# Altium PCB bio_dnt_#1.PcbDoc (part 2 of 2)
Units mm, origin at the board's own origin, x right, y up, seen from the top; angles counter-clockwise.
Board outline 120.8 x 64.8 mm, 4 copper layers (Top Layer, GND Layer, Signal Layer, Bottom Layer), stack 0.603 mm thick; 141 components, 144 nets, 614 pads, 298 vias.
Unrouted connection lines stored in the file: 15.
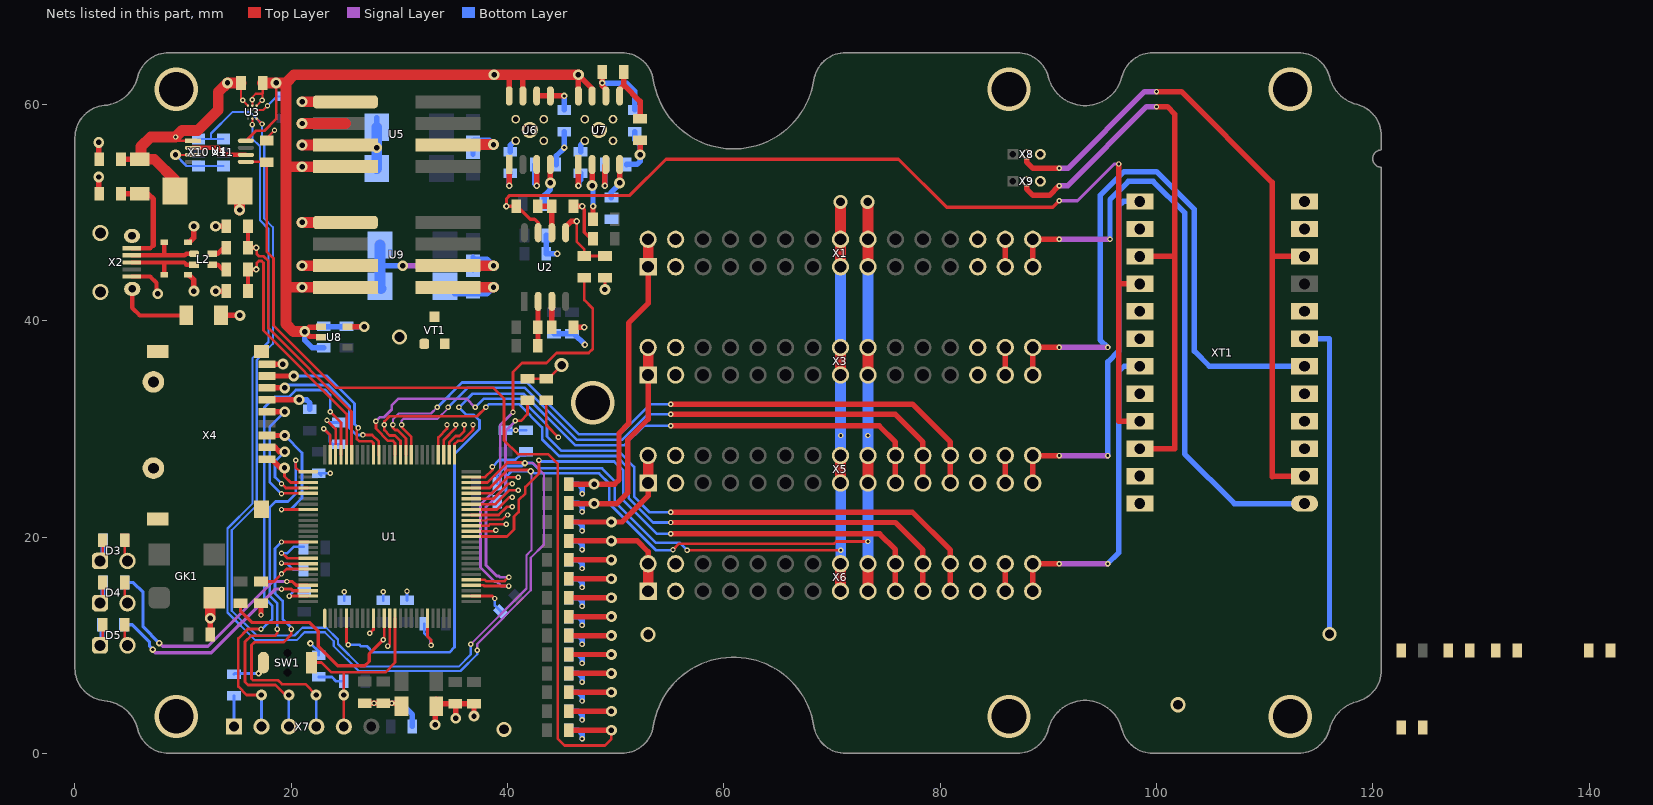
[diagram p4: the nets of this part, all layers, seen from the top]

## Via types
v1: diameter 0.5, hole 0.25, Top Layer to Bottom Layer, 175 vias
v2: diameter 1, hole 0.5, Top Layer to Bottom Layer, 76 vias
v3: diameter 0.6, hole 0.3, Top Layer to Bottom Layer, 27 vias
v4: diameter 1.3, hole 0.8, Top Layer to Bottom Layer, 9 vias
v5: diameter 4, hole 3.2, Top Layer to Bottom Layer, 7 vias
v6: diameter 1.4, hole 0.9, Top Layer to Bottom Layer, 4 vias

## Nets (pads, with @x,y where several pads share a name; then routed paths per layer and width w, separated by ;. In a path a pad name is that pad's centre, name@x,y a point inside that pad or via, vN(x,y) a via of type N, cw(c..) or ccw(c..) an arc to the next point about the centre after c; other vN are vias at no path point) (continued)
CH2_KU0: U1.59 X5.21 X5.22 | length 60.9
  Top Layer w0.25: v1(30.2,30.4) 30.2,30.175 31.1,29.275 U1.59@31.1,27.6
  Top Layer w0.5: v1(55.1,31.35) 75.85,31.35 78.4,28.8 X5.22@78.4,27.54 X5.21@78.4,25
  Signal Layer w0.2: v1(30.2,30.4) 30.2,30.775 30.375,30.95 33.518,30.95 v1@34.5,31.932
  Signal Layer w0.25: v1@34.5,31.932 v1(34.5,32)
  Bottom Layer w0.25: v1(34.5,32) 36.3,33.8 41.6,33.8 46.4,29 50.6,29 52.95,31.35 v1(55.1,31.35)
CH2_KU1: U1.60 X5.23 X5.24 | length 65.3
  Top Layer w0.25: v1(29.4,30.4) 29.4,30.1 29.6,29.9 29.825,29.9 30.6,29.125 U1.60@30.6,27.6
  Top Layer w0.5: v1(55.1,32.3) 77.44,32.3 80.94,28.8 X5.24@80.94,27.54 X5.23@80.94,25
  Signal Layer w0.2: v1(29.4,30.4) 29.4,30.9 29.925,31.425 32.925,31.425 v1(33.5,32)
  Bottom Layer w0.25: v1(33.5,32) 35.8,34.3 41.8,34.3 46.6,29.5 50.4,29.5 53.2,32.3 v1(55.1,32.3)
CH2_ZERO: U1.5 X5.19 X5.20 | length 85.2
  Top Layer w0.25: U1.5@25.1,12.5 25.1,10.293 25.275,10.118 v1(25.275,10.05)
  Top Layer w0.5: v1(55.1,30.3) 74.36,30.3 75.86,28.8 X5.20@75.86,27.54 X5.19@75.86,25
  Bottom Layer w0.25: v1(25.275,10.05) 26.3,10.05 26.45,9.9 27.025,9.9 27.575,9.35 34.625,9.35 35.1,9.825 35.1,27.7 37.4,30 37.4,30.8 36.9,31.3 36.2,31.3 v1(35.5,32) 36.76,33.26 41.49,33.26 46.25,28.5 50.828,28.5 52.628,30.3 v1(55.1,30.3)
CH3_KU0: U1.61 X6.21 X6.22 | length 66.1
  Top Layer w0.25: U1.61@30.1,27.6 30.1,28.9 29.6,29.4 29.1,29.4 28.6,29.9 v1(28.6,30.4) 28.6,30.7 29.08,31.18 37.18,31.18 v1(38,32)
  Top Layer w0.5: v1(55.1,21.35) 75.85,21.35 78.4,18.8 X6.22@78.4,17.54 X6.21@78.4,15
  Bottom Layer w0.25: v1(38,32) 38.3,32.3 41.057,32.3 43.2,30.157 43.2,29.05 44.75,27.5 45.857,27.5 50.057,27.5 51.2,26.357 51.2,23.6 53.45,21.35 v1(55.1,21.35)
CH3_KU1: U1.62 X6.23 X6.24 | length 70.8
  Top Layer w0.25: v1(27.825,30.725) 27.825,30.039 28.964,28.9 29.4,28.9 29.6,28.7 U1.62@29.6,27.6
  Top Layer w0.5: v1(55.1,22.3) 77.44,22.3 80.94,18.8 X6.24@80.94,17.54 X6.23@80.94,15
  Signal Layer w0.25: v1@27.8,30.7 v1(27.825,30.725) 28.175,31.075 28.55,31.075 29.3,31.825 29.3,32.2 29.9,32.8 36.2,32.8 v1(37,32)
  Bottom Layer w0.25: v1(37,32) 37.8,32.8 41.2,32.8 43.65,30.35 43.65,29.3 44.95,28 46,28 50.2,28 51.7,26.5 51.7,23.743 53.143,22.3 v1(55.1,22.3)
CH3_ZERO: U1.38 X6.19 X6.20 | length 53.4
  Top Layer w0.25: U1.38@36.65,20.05 39.95,20.05 40.6,20.7 40.6,21.9 41.025,22.325 41.025,23.425 41.644,24.044 41.644,24.644 42.9,25.9 v1(42.9,27.1)
  Top Layer w0.5: v1(55.1,20.3) 74.4,20.3 75.86,18.84 X6.20@75.86,17.54 X6.19@75.86,15
  Bottom Layer w0.25: v1(42.9,27.1) 43,27 45.7,27 49.857,27 50.705,26.151 50.705,23.395 53.8,20.3 v1(55.1,20.3)
CH4_KU0: U1.39 | length 2.3
  Top Layer w0.2: U1.39@36.65,20.55 v1@38.925,20.55
  Top Layer w0.25: U1.39@36.65,20.55 U1.39@36.675,20.525
  other v1: 38.925,20.625
CH4_KU1: U1.40 | length 3.3
  Top Layer w0.25: U1.40@36.65,21.05 38.225,21.05 38.375,21.2 v1(39.875,21.2)
CH4_ZERO: U1.51 | length 3.8
  Top Layer w0.25: U1.51@35.125,27.625 U1.51@35.1,27.6 35.1,28.6 35.4,28.9 35.8,28.9 36.8,29.9 v1(36.8,30.4)
CH5_KU0: U1.41 | length 3.6
  Top Layer w0.2: U1.41@36.65,21.55 38.05,21.55 38.125,21.625 39.5,21.625 39.925,22.05 v1(40,22.05)
CH5_KU1: U1.42 | length 4.1
  Top Layer w0.25: U1.42@36.675,22.025 U1.42@36.65,22.05 39.175,22.05 39.925,22.8 v1(40.425,22.8)
CH5_ZERO: U1.52 | length 3.6
  Top Layer w0.25: U1.52@34.6,27.6 34.6,28.75 35.2,29.35 35.55,29.35 36,29.8 v1(36,30.4)
CH6_KU0: U1.43 | length 4.3
  Top Layer w0.25: U1.43@36.65,22.55 39.025,22.55 40.175,23.7 v1(40.425,23.7)
CH6_KU1: U1.44 | length 4.9
  Top Layer w0.25: U1.44@36.65,23.05 38.875,23.05 40.15,24.325 v1(40.975,24.325)
CH6_ZERO: U1.53 | length 3.3
  Top Layer w0.25: U1.53@34.1,27.6 34.1,29 35.2,30.1 v1(35.2,30.4)
CH7_KU0: U1.45 | length 4.4
  Top Layer w0.25: U1.45@36.65,23.55 38.7,23.55 40.1,24.95 v1(40.438,24.95)
CH7_KU1: U1.46 | length 5
  Top Layer w0.25: U1.46@36.65,24.05 38.5,24.05 39.975,25.525 v1(41,25.525)
CH7_ZERO: U1.54 | length 3.1
  Top Layer w0.25: U1.54@33.6,27.6 33.6,29.225 34.4,30.025 v1(34.4,30.4)
D+: C21.2 R17.1 U1.71 | length 25.1
  Top Layer w0.25: v3(16.75,44.75) 16.817,44.817 16.817,45.342 17,45.525 17.264,45.525 17.425,45.364 17.425,39.1 25.125,31.4 25.125,27.625 U1.71@25.1,27.6
  Top Layer w0.4: C21.2@16,42.75 R17.1@16,44.75 16.005,44.756 16.011,44.75 v3(16.75,44.75)
D-: C22.2 R18.1 U1.70 | length 25.8
  Top Layer w0.25: v3(16.75,46.75) 16.817,46.683 16.817,46.158 17,45.975 17.45,45.975 17.875,45.55 17.875,39.325 25.575,31.625 25.575,28.635 25.575,27.625 U1.70@25.6,27.6
  Top Layer w0.4: C22.2@16,48.75 R18.1@16,46.75 16.005,46.75 16.011,46.745 16.016,46.75 v3(16.75,46.75)
DAC_1: R15.2 U1.29 | length 41.3
  Top Layer w0.25: U1.29@36.65,15.55 37.775,15.55 37.85,15.475 v1(40.1,15.475) v1@40.125,15.475 ; v1(40.5,31.55) 40.5,35.25 41.35,36.1 43.6,36.1 44.525,37.025 47.5,37.025 47.875,37.4 47.875,41.15 47.1,41.925 R15.2@47.1,44
  Signal Layer w0.25: v1(40.1,15.475) 39.425,15.475 39,15.9 38.8,15.9 37.5,17.2 37.5,23 39.325,24.825 39.325,30.375 v1(40.5,31.55)
DAC_2: R16.2 U1.30 | length 23.4
  Top Layer w0.25: U1.30@36.65,16.05 37.9,16.05 38.025,15.925 39.725,15.925 40.1,16.3 v1(40.125,16.3) ; v1(40.7,30.75) 41.225,30.75 41.85,31.375 R16.2@41.85,32.65
  Signal Layer w0.25: v1(40.125,16.3) 39.3,16.3 39.2,16.4 39,16.4 38,17.4 38,22.8 39.8,24.6 39.8,29.8 40.7,30.7 v1(40.7,30.75)
DAC_2_out: C16.2 R16.1 | length 3.9
  Top Layer w0.25: R16.1@41.85,34.65 C16.2@43.575,34.65 43.775,34.65 44.9,35.775 v4@44.9,35.6 ; v4@44.8,35.875 44.825,35.9 v4(45,35.9)
DAC_substr: C15.2 R15.1 R44.1 U2.5 | length 7.2
  Top Layer w0.25: v3(46.4,49.2) 46.4,47.3 47.1,46.6 R15.1@47.1,46 C15.2@49.004,46
  Top Layer w0.5: U2.5@45.37,48.15 45.37,48.685 45.885,49.2 v3(46.4,49.2)
DEF: XT1.7 | length 29.6
  Bottom Layer w0.5: XT1.7@113.7,38.34 116,38.34 v4(116,11.05)
Drain_0: X1.29 X1.30 XT1.1 | length 57.5
  Top Layer w0.5: X1.29@88.56,45 X1.30@88.56,47.54 v1(91,47.54)
  Signal Layer w0.5: v1(91,47.54) v1(95.7,47.54)
  Bottom Layer w0.5: v1(95.7,47.54) 95.7,51.2 97.4,52.9 99.7,52.9 102.6,50 102.6,27.7 107.2,23.1 XT1.1@113.7,23.1
Drain_1: XT1.3
Drain_2: XT1.4
Drain_3: XT1.5
Drain_4: X3.29 X3.30 XT1.6 | length 58.8
  Top Layer w0.5: X3.29@88.56,35 X3.30@88.56,37.54 v1(91,37.54)
  Signal Layer w0.5: v1(91,37.54) v1(95.5,37.54)
  Bottom Layer w0.5: v1(95.5,37.54) 94.8,38.24 94.8,51.6 97,53.8 100,53.8 103.5,50.3 103.5,37.2 104.9,35.8 XT1.6@113.7,35.8
Drain_5: XT1.8
Drain_6: XT1.11
Drain_7: XT1.12
Drain_8: X5.29 X5.30 XT1.13 | length 35.1
  Top Layer w0.5: X5.29@88.56,25 X5.30@88.56,27.54 v1(91,27.54)
  Signal Layer w0.5: v1(91,27.54) v1(95.5,27.54)
  Bottom Layer w0.5: v1(95.5,27.54) 95.5,36.2 96.5,37.2 96.5,50.6 96.94,51.04 XT1.13@98.46,51.04
Drain_9: XT1.14
Drain_10: XT1.17
Drain_11: XT1.18
Drain_12: X6.29 X6.30 XT1.19 | length 29.8
  Top Layer w0.5: X6.29@88.56,15 X6.30@88.56,17.54 v1(91,17.54)
  Signal Layer w0.5: v1(91,17.54) v1(95.5,17.54)
  Bottom Layer w0.5: v1(95.5,17.54) 95.49,17.54 96.5,18.55 96.5,35.3 97,35.8 XT1.19@98.46,35.8
Drain_13: XT1.20
Drain_14: XT1.23
Drain_15: XT1.24
GND: C17.2 C18.1 C19.1 C20.1 C21.1 C22.1 C23.1 C24.1 C25.1 C26.1 C27.1 C28.1 C29.1 C31.1 C32.1 C33.1 C34.1 C35.1 C36.1 C37.1 C38.1 C39.1 C42.1 C43.1 C44.2 C45.2 C46.1 C47.1 C48.1 C49.1 C50.1 C51.1 C52.1 C53.1 C54.1 C55.1 C56.1 C59.1 C60.2 C61.1 C62.1 C63.1 D1.2 D2.2 D3.2 D4.2 D5.2 GK1.2 L3.2 L5.2 R19.2 R23.1 R25.2 R27.1 R29.2 R31.2 R40.1 R43.1 R44.2 U1.10 U1.13 U1.27 U1.74 U1.99 U3.C1 U4.3 U5.2 U5.6 U6.0 U6.4 U7.0 U7.4 U8.5 U9.2 U9.5 VT1.2 X1.25 X1.26 X2.5 X3.25 X3.26 X4.6 X4.Gd X4.MP0 X5.25 X5.26 X6.25 X6.26 X7.1 X8.3 X9.3 X10.1 X11.1 | length 137.3
  Top Layer w0.2: v2@9.4,55.35 U4.3@10.9,55.35 ; U3.C1@16.8,59.5 17.4,59.5 v1(17.8,59.9) ; R29.2@17.725,56.675 17.725,56.9 v1(18.45,57.625)
  Top Layer w0.25: v1(19.8,14.55) U1.99@21.55,14.55 ; v1(23,30.025) 23.6,29.425 U1.74@23.6,27.6 ; v1(27.25,11.1) 27.6,11.45 U1.10@27.6,12.5 ; v1@28.925,9.875 v1(28.925,9.925) 29.1,10.1 U1.13@29.1,12.5 ; U1.27@36.65,14.55 38.6,14.55 v1(38.825,14.325)
  Top Layer w0.3: v3(46.9,50.6) 47,50.6 47,50.4 47.1,50.3 47.1,48.2 47.6,47.7 R27.1@47.9,47.7
  Top Layer w0.4: X2.5@5.25,44.1 6.95,44.1 7.535,43.515 7.535,42.615 v2(7.65,42.5)
  Top Layer w0.5: v2(2.2,53.3) 2.2,51.8 C19.1@2.25,51.75 ; v2(2.2,56.5) 2.2,55 C20.1@2.25,54.95 ; D1.2@10.45,44.25 10.55,44.25 11,43.8 v2(11,42.75) ; D2.2@10.45,47.25 10.55,47.25 11,47.7 v2(11,48.75) ; C18.1@12.5,11 v2(12.5,12.5) ; v2(13,42.75) C21.1@14,42.75 ; v2(13,48.75) C22.1@14,48.75 ; L3.2@13.75,40.5 v2(15.25,40.5) ; v1(17.2,12.8) R23.1@17.2,13.85 ; X4.6@17.75,32.7 v2(20.725,32.7) ; X4.Gd@17.75,36 v2(19.225,36) v2@19.4,36 ; U8.5@25.2,39.45 v2(26.75,39.45) ; C38.1@26.8,4.65 v1(27.65,4.65) C39.1@28.5,4.65 v1(29.3,4.65) L5.2@29.9,4.65 ; v2(43.96,52.75) U6.4@43.96,54.45 ; R25.2@46.1,39.4 v3(47.1,39.4) ; R19.2@46.1,50.6 v3(46.9,50.6) ; v2(50.36,52.75) U7.4@50.36,54.45 ; v2(52.25,55.35) R31.2@52.25,56.7
  Top Layer w1: v2(12.5,12.5) 12.5,13.9 12.9,14.3 12.9,14.38 GK1.2@12.88,14.4 ; v2(15.225,50.25) 15.225,51.975 C17.2@15.25,52 ; v2(21,45.1) U9.2@25,45.1 ; v2(21,56.25) U5.2@25,56.25 ; v2(21,58.25) 25,58.25 ; U9.5@34.5,43.1 v2(38.7,43.1) ; U5.6@34.5,56.3 v2(38.7,56.3)
  Bottom Layer w0.2: v2(9.293,55.35) 10.318,54.325 X10.1@11.425,54.325 X11.1@13.725,54.325 ; v1(17.8,59.9) 18.65,60.75 C42.1@19.25,60.75
  Bottom Layer w0.25: X7.1@14.7,2.48 R40.1@14.7,5.325 ; v1(19.8,14.55) 20.35,15.1 C32.1@21.2,15.1 ; v3(21.775,10.175) 22.55,9.4 C62.1@22.55,9.075 ; C31.1@22.75,25.7 C31.1@22.55,25.9 v1(23.6,25.9) ; v1(23,30.025) 23.563,29.462 23.563,28.838 23.8,28.6 C23.1@24.4,28.6 C23.1@24.5,28.6 ; C36.1@24.9,14.15 v1(24.9,14.95) v1@24.9,15 ; C33.1@28.5,14.15 v1(28.5,14.95) ; C34.1@30.7,14.15 v1(30.7,15) ; v1(38.825,14.325) 38.825,13.675 39.386,13.114 C35.1@39.386,13.086 ; C37.1@39.8,29.875 v1(40.75,29.875) C24.1@41.714,29.875
  Bottom Layer w0.5: v2(20.725,32.7) 21.425,32.7 21.725,32.4 21.725,31.85 C61.1@21.7,31.825 ; C55.1@23,39.45 v2(26.75,39.45) ; C44.2@27.9,57.9 C44.2@27.9,58.8 ; v1(29.3,4.65) 30.05,4.65 30.1,4.7 31.2,3.6 C29.1@31.2,2.5 ; C60.2@35.1,42.5 38.1,42.5 v2@38.6,43 ; C45.2@36.8,55.4 36.8,56.6 36.9,56.7 38.3,56.7 v2(38.7,56.3) ; C48.1@40.25,55.65 40.25,56.25 40.269,56.25 40.669,56.65 U6.0@40.75,56.65 ; C50.1@43.4,50.8 43.4,51.6 43.96,52.16 v2(43.96,52.75) ; C26.1@43.563,47.9 C25.1@43.563,46.2 v3(44.6,46.2) ; C27.1@44.3,38.8 C28.1@45.95,38.8 ; C47.1@44.5,54.45 44.5,55.25 45.25,56 v3(45.25,56.025) C49.1@45.25,57.5 ; C28.1@46.141,38.8 v3@47.141,37.8 ; C52.1@46.75,55.65 46.75,56.25 U7.0@47.15,56.65 ; C54.1@49.6,51.4 49.6,51.9 50.3,52.6 v2@50.3,52.7 ; C51.1@51,54.45 51.016,54.466 51.966,54.466 52.25,54.75 v2(52.25,55.35) 52.25,56.25 51.75,56.75 C53.1@51.75,57.5
  Bottom Layer w1: C46.1@27.9,54.1 v2(27.9,56) ; v2@27.9,56.1 C44.2@27.9,57.9
  other v3: 47.15,37.8
  other v5: 9.368,3.426 86.368,3.426 112.368,3.426 47.868,32.426 9.368,61.426 86.368,61.426 112.368,61.426
  other v6: 39.675,2.225 102,4.5 30,38.5
GND_A: C1.1 C2.1 C3.1 C4.1 C5.1 C6.1 C7.1 C8.1 C9.1 C10.1 C11.1 C12.1 C13.1 C14.1 C15.1 C16.1 C30.1 C40.1 C41.1 L5.1 U1.20 X1.3 X1.4 X3.3 X3.4 X5.3 X5.4 X6.3 X6.4 | length 43.2
  Top Layer w0.25: U1.20@32.6,12.5 32.6,10.825 32.925,10.5 v1@32.925,10.05 ; C16.1@43.575,32.65 43.575,30.35 v1(44.7,29.225) ; v2(49,42.9) 49.004,42.904 C15.1@49.004,44
  Top Layer w0.5: v2(33.3,2.65) L5.1@33.3,4.25 ; L5.1@33.3,4.9 L5.1@33.4,5 ; L5.1@33.65,4.6 C40.1@35.15,4.6 C41.1@36.9,4.6 v2(36.9,3.45) ; v2(35.2,3.25) C40.1@35.2,4.55
  Bottom Layer w0.25: C30.1@32.3,12 32.3,11.1 32.877,10.523 32.877,10.048 v1(32.925,10)
  Bottom Layer w0.5: C12.1@45.65,2.15 46.55,2.15 46.891,1.809 v1(46.891,1.35) ; C10.1@45.65,3.9 46.55,3.9 46.891,3.559 v1(46.891,3.1) ; C8.1@45.65,5.65 46.55,5.65 46.891,5.309 v1(46.891,4.85) ; C6.1@45.65,7.4 46.55,7.4 46.891,7.059 v1(46.891,6.6) ; C4.1@45.65,9.15 46.55,9.15 46.891,8.809 v1(46.891,8.35) ; C2.1@45.65,10.9 46.55,10.9 46.891,10.559 v1(46.891,10.1) ; C14.1@45.65,12.65 46.55,12.65 46.891,12.309 v1(46.891,11.85) ; C13.1@45.65,14.4 46.55,14.4 46.891,14.059 v1(46.891,13.6) ; C11.1@45.65,16.15 46.55,16.15 46.891,15.809 v1(46.891,15.35) ; C9.1@45.65,17.9 46.55,17.9 46.891,17.559 v1(46.891,17.1) ; C7.1@45.65,19.65 46.55,19.65 46.891,19.309 v1(46.891,18.85) ; C5.1@45.65,21.4 46.55,21.4 46.891,21.059 v1(46.891,20.6) ; C3.1@45.65,23.15 46.55,23.15 46.891,22.809 v1(46.891,22.35) ; C1.1@45.65,24.9 46.55,24.9 46.9,24.55 v1(46.9,24)
  other v6: 53,11
I2C1_SCL: R35.2 U1.92 | length 4.7
  Top Layer w0.25: v1@19.2,18.5 19.65,18.05 U1.92@21.45,18.05
  Bottom Layer w0.25: v1(19.1,18.5) 19.625,18.5 20.225,19.1 R35.2@21.125,19.1
I2C1_SDA: R34.2 U1.93 | length 4.7
  Top Layer w0.25: v1@19.01,17.55 U1.93@21.45,17.55
  Bottom Layer w0.25: v1@19.1,17.55 19.625,17.55 20.175,17 R34.2@21.125,17
  other v1: 19.1,17.6
I2C2_SCL: R33.2 U1.47 U3.A1 X1.17 X1.18 X3.17 X3.18 X5.17 X5.18 X6.17 X6.18 X10.3 X11.3 | length 184.4
  Top Layer w0.2: U3.A1@16.8,58.7 v1(17.3,58.2)
  Top Layer w0.25: U1.47@36.65,24.55 38.35,24.55 40,26.2 v3@42.2,26.2 ; v1(55.3,18.825) 55.3,18.834 55.865,19.4 70.2,19.4 70.4,19.6 v1(73.32,19.6)
  Top Layer w1: X6.17@73.32,15 X6.18@73.32,17.54 ; X5.17@73.32,25 X5.18@73.32,27.54 ; X3.17@73.32,35 X3.18@73.32,37.54 ; X1.17@73.32,45 X1.18@73.32,47.54 v4@73.32,51
  Signal Layer w0.2: v1(36.6,10.1) 41.75,15.25 41.75,18.325 42.2,18.775 v3@42.2,26.2
  Bottom Layer w0.2: X10.3@11.425,56.825 12.575,56.825 ; X11.3@13.725,56.825 12.575,56.825 ; v1(36.6,10.1) 36.6,9.15 35.475,8.025 26.425,8.025 24.325,10.125 24.325,10.533 23.233,11.625 21.025,11.625 20.3,10.9 16.8,10.9 14.5,13.2 14.5,20.634 16.8,22.934 16.8,36.384 18.3,37.884 18.3,48.666 17.5,49.466 17.5,56.55 17.3,56.75 v1(17.3,58.2) 16.2,59.3 14.55,59.3 12.575,57.325 12.575,56.825
  Bottom Layer w0.25: R33.2@39.05,23.275 39.85,24.075 39.85,25.566 40.384,26.1 v3(42.15,26.1) 42.225,26.1 42.25,26.125 42.475,25.9 48.45,25.9 49.4,24.95 49.4,23.1 53.7,18.8 v1@55.3,18.8
  Bottom Layer w1: X6.18@73.32,17.54 v1(73.32,19.6) X5.17@73.32,25 ; X5.18@73.32,27.54 v1(73.32,29.4) X3.17@73.32,35 ; X3.18@73.32,37.54 X1.17@73.32,45
  other v4: 73.3,51
I2C2_SDA: R32.2 U1.48 U3.A2 X1.15 X1.16 X3.15 X3.16 X5.15 X5.16 X6.15 X6.16 | length 175
  Top Layer w0.2: v1(16.4,58.15) U3.A2@16.4,58.7
  Top Layer w0.25: U1.48@36.65,25.05 38.125,25.05 39.975,26.9 41.275,26.9 ; v1(56.6,18.8) v1(70.8,18.8)
  Top Layer w1: X6.15@70.78,15 X6.16@70.78,17.54 ; X5.15@70.78,25 X5.16@70.78,27.54 ; X3.15@70.78,35 X3.16@70.78,37.54 ; X1.15@70.78,45 X1.16@70.78,47.54 v4(70.78,51)
  Signal Layer w0.2: v1(37.2,9.55) 37.2,10.125 42.15,15.075 42.15,18.1 43.375,19.325 43.375,25.825 42.35,26.85 v3(41.6,26.85)
  Bottom Layer w0.2: v1(16.4,58.15) 16.4,56.85 17.1,56.15 17.1,49.3 17.9,48.5 17.9,38.05 16.4,36.55 16.4,23.1 14.1,20.8 14.1,13.034 16.659,10.475 20.5,10.475 21.225,11.2 23.093,11.2 23.925,10.368 23.925,9.925 26.225,7.625 35.65,7.625 37.2,9.175 v1(37.2,9.55)
  Bottom Layer w0.25: R32.2@39.05,24.95 39.05,25.776 39.849,26.575 41.325,26.575 v3(41.6,26.85) 42.3,26.85 42.793,26.357 48.743,26.357 49.905,25.195 49.905,23.3 53.73,19.475 55.925,19.475 v1(56.6,18.8)
  Bottom Layer w1: X6.16@70.78,17.54 70.8,17.56 v1(70.8,18.8) 70.8,24.98 X5.15@70.78,25 ; X5.16@70.78,27.54 X3.15@70.78,35 ; X3.16@70.78,37.54 X1.15@70.78,45
  other v1: 70.8,29.4
I_GRD0: X1.27 X1.28 | length 2.5
  Top Layer w0.5: X1.27@86.02,45 X1.28@86.02,47.54
I_GRD1: X3.27 X3.28 | length 2.5
  Top Layer w0.5: X3.27@86.02,35 X3.28@86.02,37.54
I_GRD2: X5.27 X5.28 | length 2.5
  Top Layer w0.5: X5.27@86.02,25 X5.28@86.02,27.54
I_GRD3: X6.27 X6.28 | length 2.5
  Top Layer w0.5: X6.27@86.02,15 X6.28@86.02,17.54
I_USB: R12.2 R29.1 U4.5 | length 86.8
  Top Layer w0.25: U4.5@15.8,54.7 R29.1@17.725,54.7 ; R29.1@17.725,54.675 17.725,46.4 18.35,45.775 18.35,39.575 24.1,33.825 38.65,33.825 39.675,32.8 39.675,28.95 40.95,27.675 43.725,27.675 44.65,26.75 44.65,1.35 45.275,0.725 49,0.725 49.6,1.325 v2(49.6,2.15)
  Top Layer w0.5: R12.2@45.65,2.15 v2(49.6,2.15)
INH_POWER: R42.2 U1.1
LED_CONNECTION: R38.1 U1.98 | length 20.8
  Top Layer w0.3: v1@19.1,15.3 v1(19.1,15.2) 20,15.2 20.15,15.05 U1.98@21.55,15.05
  Signal Layer w0.3: v3@7.2,9.5 7.4,9.3 12.6,9.3 18.5,15.2 v1(19.1,15.2)
  Bottom Layer w0.3: R38.1@4.6,11.9 5.3,11.9 5.7,11.5 6.6,10.6 6.9,10.3 6.9,9.9 v3(7.2,9.6)
LED_MCU_STATE: R37.1 U1.97 | length 23.9
  Top Layer w0.3: v1(19.6,15.9) 20.1,15.9 20.45,15.55 U1.97@21.55,15.55
  Signal Layer w0.3: v3(7.8,10.2) 8.1,9.9 12.3,9.9 18.3,15.9 v1(19.6,15.9)
  Bottom Layer w0.3: R37.1@4.6,15.8 5.4,15.8 6.3,14.9 6.3,11.7 v3(7.8,10.2)
NetC19_2: C19.2 L1.1 X2.1 | length 9.6
  Top Layer w0.4: X2.1@5.25,46.7 6.95,46.7 7.25,47 ; L1.1@6,51.75 L1.1@6.75,51.75
  Top Layer w0.5: C19.2@4.25,51.75 L1.1@6,51.75 ; L1.1@6.75,51.75 7.25,51.25 7.25,47
NetC23_2: C23.2 U1.73 | length 4.8
  Top Layer w0.25: v1(23.3,30.8) 24.1,30 U1.73@24.1,27.6
  Bottom Layer w0.25: v1(23.3,30.8) 23.5,30.6 C23.2@24.5,30.6
NetC24_2: C24.2 U1.49 | length 6.1
  Top Layer w0.25: U1.49@36.65,25.55 37.929,25.55 38.6,26.221 v1(38.6,26.5)
  Bottom Layer w0.25: v1(38.6,26.5) 39.225,27.125 40.7,27.125 41.175,27.6 C24.2@41.704,27.6
NetC47_2: C47.2 U6.3 | length 4
  Top Layer w0.5: v3(42.69,52.5) U6.3@42.69,54.45
  Bottom Layer w0.5: C47.2@42.5,54.45 42.5,52.69 v3(42.69,52.5)
NetC48_2: C48.2 U6.1 | length 3.1
  Top Layer w0.5: v3(40.15,52.5) U6.1@40.15,54.45
  Bottom Layer w0.5: v3(40.15,52.5) 40.169,52.519 40.169,53.569 C48.2@40.25,53.65
NetC49_2: C49.2 U6.5 U6.6 | length 3.9
  Top Layer w0.5: U6.6@42.69,60.8 U6.5@43.96,60.8 v3(45.25,60.8)
  Bottom Layer w0.5: C49.2@45.25,59.5 v3(45.25,60.8)
NetC51_2: C51.2 U7.3 | length 3.9
  Top Layer w0.5: v3(49,52.5) 49,54.36 U7.3@49.09,54.45
  Bottom Layer w0.5: v3(49,52.5) 49,52.59 C51.2@49,54.45
NetC52_2: C52.2 U7.1 | length 3.2
  Top Layer w0.5: v3(46.55,52.5) U7.1@46.55,54.45
  Bottom Layer w0.5: v3(46.55,52.5) 46.569,52.519 46.569,52.869 46.75,53.05 C52.2@46.75,53.65
NetC53_2: C53.2 R30.1 U7.6 | length 7.4
  Top Layer w0.5: R30.1@48.75,63 v3(48.75,62) 48.75,61.748 49.09,61.408 U7.6@49.09,60.8
  Bottom Layer w0.5: v3(48.75,62) 48.769,61.981 51.019,61.981 51.75,61.25 C53.2@51.75,59.5
NetC54_2: C54.2 R26.1 U7.2 | length 5.1
  Top Layer w0.5: v2(47.82,52.5) U7.2@47.82,54.45 ; R26.1@47.9,49.4 v3(47.9,50.6)
  Bottom Layer w0.5: v2@47.8,52.5 47.9,52.4 v3(47.9,50.6)
NetC55_2: C55.2 R28.2 R41.2 U3.D1 U3.D2 U4.8 U5.1 U6.7 U6.8 U7.7 U7.8 U8.1 U8.2 U9.1 | length 90.5
  Top Layer w0.2: U3.D2@16.4,59.9 v1(16.4,60.45) 16.4,60.683 16.717,61 17.3,61 ; U3.D1@16.8,59.9 v1(17.3,60.4) 17.35,60.45 17.35,61.05
  Top Layer w0.25: U4.8@15.8,56.65 16.725,57.575 17.525,57.575 18.6,58.65 v2(18.6,62) ; 17.35,61.05 17.35,61.6 R28.2@17.6,61.6
  Top Layer w0.5: U8.2@22.75,38.5 22.7,38.55 21.7,38.55 v2(21.25,39) 21.65,39.4 22.7,39.4 U8.1@22.75,39.45 ; U6.8@40.15,60.8 40.15,62.75 ; 41,62.75 41.394,62.356 41.394,60.826 U6.7@41.42,60.8 ; U7.8@46.55,60.8 v2(46.55,62.75) 47.811,61.489 47.811,60.809 U7.7@47.82,60.8
  Top Layer w1: R28.2@17.35,62 v2(18.6,62) 19.5,62 ; 19.55,43.1 v2(21,43.1) U9.1@25,43.1 ; v2(21.25,39) 20.2,39 19.5,39.7 19.5,43.1 19.5,54.3 ; U5.1@25,54.25 v2(21,54.25) 19.55,54.25 19.5,54.3 ; 41,62.75 40.15,62.75 v2(38.75,62.75) 20.25,62.75 19.5,62 ; 41.05,62.75 41.394,62.75 v2(46.55,62.75) ; 19.5,54.3 19.5,62
  Bottom Layer w0.5: v2(21.25,39) 21.25,38.2 21.95,37.5 C55.2@23,37.5
NetC57_1: C57.1 C58.2 C59.2 C60.1 U9.6 | length 22
  Top Layer w1: U9.6@34.5,45.1 v2(38.7,45.1)
  Signal Layer w0.5: v2(30.3,45.1) v2(38.7,45.1)
  Bottom Layer w0.5: 28.3,45.1 v2(30.3,45.1) ; C59.2@36.8,44.7 C57.1@36.8,45.7 ; C57.1@36.8,45.9 C57.1@36.8,45.7 ; v2(38.7,45.1) 38.1,45.7 C57.1@36.8,45.7
  Bottom Layer w1: C58.2@28.2,47 C60.1@28.2,43.2 28.2,43.1 C60.1@28.3,43
NetD3_1: D3.1 R36.2 | length 2
  Bottom Layer w0.5: D3.1@2.314,17.795 2.6,18.081 R36.2@2.6,19.7
NetD4_1: D4.1 R37.2 | length 2
  Bottom Layer w0.5: D4.1@2.314,13.895 2.6,14.181 R37.2@2.6,15.8
NetD5_1: D5.1 R38.2 | length 1.9
  Bottom Layer w0.5: D5.1@2.314,9.995 2.5,10.181 R38.2@2.5,11.8
NetL2_3: L2.3 R17.2 | length 2
  Top Layer w0.4: L2.3@12.5,45.2 13.2,45.2 13.65,44.75 R17.2@14,44.75 ; R17.2@13.855,44.9 14,44.756 R17.2@14,44.75 ; R17.2@14,44.6 R17.2@14,44.75
NetL2_4: L2.4 R18.2 | length 1.4
  Top Layer w0.4: L2.4@12.8,46.2 13.2,46.2 13.75,46.75 R18.2@14,46.75
NetR2_2: R2.2 | length 4
  Top Layer w0.5: R2.2@45.65,10.9 v2(49.6,10.9)
NetR4_2: R4.2 | length 4
  Top Layer w0.5: R4.2@45.65,9.15 v2(49.6,9.15)
NetR6_2: R6.2 | length 4
  Top Layer w0.5: R6.2@45.65,7.4 v2(49.6,7.4)
NetR8_2: R8.2 | length 4
  Top Layer w0.5: R8.2@45.65,5.65 v2(49.6,5.65)
NetR10_2: R10.2 | length 4
  Top Layer w0.5: R10.2@45.65,3.9 v2(49.6,3.9)
NetR19_1: R19.1 R20.2 U2.6 | length 3.8
  Top Layer w0.5: R20.2@42.8,50.6 R19.1@44.1,50.6 U2.6@44.1,48.15
NetR21_1: R21.1 U1.12 | length 20.3
  Top Layer w0.2: v1(28.5,10.5) 28.6,10.6 U1.12@28.6,12.5
  Top Layer w0.3: R21.1@15.296,13.9 15.296,13.204 16.4,12.1 21.7,12.1 22.5,11.3 22.5,9.9 24.3,8.1 26.8,8.1 27.2,8.5 27.2,9.2 v1(28.5,10.5)
NetR22_2: R22.2 R24.1 U2.2 | length 4.1
  Top Layer w0.5: R24.1@42.8,37.7 42.815,37.715 42.815,41.785 U2.2@42.83,41.8
NetR23_2: R23.2 U1.94 | length 4.3
  Top Layer w0.25: R23.2@17.75,15.9 18.4,15.9 v1(19.1,16.6) 19.55,17.05 U1.94@21.55,17.05
NetR25_1: R25.1 U2.3 | length 2.4
  Top Layer w0.5: R25.1@44.1,39.4 U2.3@44.1,41.8
NetR30_2: R30.2 R31.1 U7.5 | length 6.1
  Top Layer w0.5: U7.5@50.36,60.8 50.36,61.408 50.75,61.798 ; R30.2@50.75,63 50.75,61.798 ; R31.1@52.25,58.7 52.25,60.298 50.75,61.798
NetR40_2: R40.2 SW1.1 | length 3.5
  Top Layer w0.25: v3(16.975,7.4) 17.425,7.85 SW1.1@17.425,8.4
  Bottom Layer w0.25: R40.2@14.7,7.325 14.775,7.4 v3(16.975,7.4)
NetR42_1: R42.1 R43.2 VT1.1
NetU4_2: U4.2 U4.6 | length 5.2
  Top Layer w0.4: U4.2@10.9,56 13.25,56 13.9,55.35 U4.6@15.8,55.35
NetU5_4: U5.4 U9.4 VT1.3 | length 7.9
  Top Layer w1: v2(21,49.1) U9.4@25,49.1 ; v2@21.05,60.25 U5.4@25,60.25
  other v2: 21,60.25
NRST: C62.2 R39.2 SW1.2 U1.14 X7.5 | length 21.4
  Top Layer w0.25: SW1.2@21.875,8.4 22.8,8.4 23.7,7.5 24.84,7.5 ; X7.5@24.84,2.48 v2@24.84,5.42 ; v2(24.86,5.4) v2@24.84,5.42 ; U1.14@29.6,12.5 29.6,8.4 28.7,7.5 24.84,7.5 ; v2@24.84,5.42 24.84,7.5
  Bottom Layer w0.25: C62.2@22.55,7.075 23.75,7.075 24.15,6.675 R39.2@24.85,6.675 24.86,6.665 v2(24.86,5.4)
SDIO_CK: U1.80 X4.5 | length 12.7
  Top Layer w0.25: v1(19.1,24) 19.15,24.05 U1.80@21.55,24.05
  Top Layer w0.5: X4.5@17.75,31.6 v2@19.375,31.6
  Bottom Layer w0.25: v1(19.1,24) 18,25.1 18,30.2 v2(19.4,31.6)
SDIO_CMD: U1.83 X4.3 | length 12.9
  Top Layer w0.25: v1(19.1,22.55) U1.83@21.55,22.55
  Top Layer w0.5: X4.3@17.75,29.4 v2@19.375,29.4
  Bottom Layer w0.25: v1(19.1,22.55) 19.95,22.55 21,23.6 21,27.8 v2(19.4,29.4)
SDIO_D0: U1.65 X4.7 | length 15
  Top Layer w0.25: v1(26.625,29.45) 27.477,29.45 28.1,28.827 U1.65@28.1,27.6
  Top Layer w0.5: X4.7@17.75,33.8 v2@19.375,33.8
  Bottom Layer w0.25: v2(19.4,33.8) 19.675,34.075 23.425,34.075 25.375,32.125 25.375,30.112 26.037,29.45 v1(26.625,29.45)
SDIO_D1: U1.66 X4.8 | length 15.4
  Top Layer w0.25: v1(26.2,30.1) 26.05,29.95 26.05,29.1 26.275,28.875 27.405,28.875 27.6,28.68 U1.66@27.6,27.6
  Top Layer w0.5: X4.8@17.75,34.9 v2(20.225,34.9)
  Bottom Layer w0.25: v2(20.225,34.9) 23.3,34.9 25.85,32.35 25.85,30.45 v1(26.2,30.1)
SDIO_D2: U1.78 X4.1 | length 5.1
  Top Layer w0.25: v2(19.375,26.4) 19.375,25.625 19.95,25.05 U1.78@21.55,25.05
  Top Layer w0.5: X4.1@17.75,27.2 18.2,27.2 19,26.4 v2(19.375,26.4)
SDIO_D3: U1.79 X4.2 | length 8
  Top Layer w0.25: v1(19.1,24.95) 19.5,24.55 U1.79@21.55,24.55
  Top Layer w0.5: X4.2@17.75,28.3 18.5,28.3 18.9,27.9 v2(19.4,27.9)
  Bottom Layer w0.25: v1(19.1,24.95) 18.5,25.55 18.5,27 v2(19.4,27.9)
Source_1: X8.2 XT1.2 XT1.10 | length 63.3
  Top Layer w0.5: X8.2@88,55.4 88,54.7 88.6,54.1 v1(91,54.1) ; v1(100,61.2) 102.3,61.2 110.7,52.8 110.7,46 ; XT1.2@113.7,25.64 110.74,25.64 110.7,25.6 110.7,46 ; XT1.10@113.7,45.96 110.74,45.96 110.7,46
  Signal Layer w0.5: v1(91,54.1) 91.8,54.1 98.9,61.2 v1(100,61.2)
Source_2: X9.2 XT1.15 XT1.22 | length 55.7
  Top Layer w0.5: X9.2@88,52.9 88,52.2 88.6,51.6 90.1,51.6 v1(91,52.5) ; XT1.22@98.46,28.18 101.68,28.18 101.7,28.2 101.7,45.9 ; XT1.15@98.46,45.96 101.64,45.96 101.7,45.9 ; v1(100,59.8) 101,59.8 101.7,59.1 101.7,45.9
  Signal Layer w0.5: v1(91,52.5) 91.8,52.5 99.1,59.8 v1(100,59.8)
SWCLK: U1.76 X7.3 | length 34.4
  Top Layer w0.25: v1(18.7,11.5) 18.7,11.1 18.475,10.875 16.275,10.875 15.725,10.325 15.725,6.6 16,6.325 18.525,6.325 19.45,5.4 v2(19.78,5.4) ; v1(20.4,27.1) 20.4,26.45 20.8,26.05 U1.76@21.55,26.05
  Bottom Layer w0.25: v1(18.7,11.5) 18.7,13.9 18,14.6 18,22.75 18.55,23.3 19.7,23.3 20.4,24 v1(20.4,27.1) ; X7.3@19.78,2.48 v2(19.78,5.4)
SWDIO: U1.72 X7.2 | length 46.5
  Top Layer w0.25: v1(17.2,11.5) 15.975,11.5 15.1,10.625 15.1,6.175 15.875,5.4 v2(17.24,5.4) ; v1(23.6,31.6) 24.6,30.6 U1.72@24.6,27.6
  Bottom Layer w0.25: v1(17.2,11.5) 17.3,11.5 18.25,12.45 18.25,13.65 17.5,14.4 17.5,31.975 18.5,32.975 19.8,32.975 20.425,33.6 23.15,33.6 23.6,33.15 v1(23.6,31.6) ; X7.2@17.24,2.48 v2(17.24,5.4)
SWO: U1.89 X7.4 | length 28.7
  Top Layer w0.25: v1(19.1,19.55) U1.89@21.55,19.55 ; v1@20,11.6 v1(20,11.5) 20,11 19.275,10.275 16.575,10.275 16.325,10.025 16.325,6.9 16.45,6.775 18.75,6.775 19.125,6.4 21.3,6.4 v2(22.3,5.4)
  Bottom Layer w0.25: v1(19.1,19.55) 18.5,18.95 18.5,14.8 19.2,14.1 19.2,12.445 20,11.645 v1(20,11.5) ; X7.4@22.3,2.48 v2(22.3,5.4)
U_subs: R20.1 U2.7 XT1.16 XT1.21 | length 94.6
  Top Layer w0.3: U2.7@42.83,48.15 42.83,49.07 42.5,49.4 42.1,49.4 40.9,50.6 R20.1@40.8,50.6 v3(39.9,50.6) 39.9,51.3 40.2,51.6 51.3,51.6 54.65,54.95 76.15,54.95 80.6,50.5 90.4,50.5 v1(91,51.1) ; 96.5,30.725 96.505,30.72 ; 96.5,43.4 96.52,43.42 ; XT1.16@98.38,43.5 XT1.16@98.46,43.42
  Top Layer w0.5: 96.5,30.725 96.5,43.4 v1(96.5,54.5) ; 96.505,30.72 XT1.21@98.46,30.72 ; 96.52,43.42 XT1.16@98.46,43.42
  Signal Layer w0.3: v1(91,51.1) 92.7,51.1 96.1,54.5 v1(96.5,54.5)
USB_+5V: C17.1 C20.2 L1.2 R28.1 R41.1 U3.D3 U4.1 | length 24.9
  Top Layer w0.2: v1(9.3,57) 9.3,56.839 9.293,56.832 9.475,56.65 U4.1@10.9,56.65 ; R28.1@15.35,62 15.35,60.55 v1(15.5,60.4) U3.D3@16,59.9
  Top Layer w0.5: C20.2@4.25,54.95 L1.2@6,54.95
  Top Layer w1: L1.2@6,54.95 L1.2@6.115,54.95 ; C17.1@9.25,52 9.25,53.035 7.335,54.95 L1.2@6.115,54.95 ; R28.1@15.35,62 v2(14.1,62) 13.25,61.15 13.25,59.5 11.35,57.6 9.9,57.6 v1(9.3,57) 7,57 6.115,56.115 L1.2@6.115,54.95
USB_Case: L3.1 X2.0 | length 7.4
  Top Layer w0.4: X2.0@5.615,42.95 X2.0@5.3,42.95 5.3,41.2 6,40.5 L3.1@10.3,40.5
USB_D+: D1.1 L2.2 X2.3 | length 7.2
  Top Layer w0.4: X2.3@5.25,45.4 8.25,45.4 ; D1.1@8.25,44.25 8.25,45.4 ; L2.2@11.2,45.2 10.3,45.2 10.1,45.4 10,45.4 8.25,45.4
USB_D-: D2.1 L2.1 X2.2 | length 7
  Top Layer w0.4: X2.2@5.25,46.05 8.25,46.05 ; D2.1@8.25,47.25 8.25,46.05 ; L2.1@11,46.2 10.3,46.2 10.15,46.05 8.25,46.05
V_CURR_0: R1.2 X1.1 X1.2 | length 28.2
  Top Layer w0.5: R1.2@45.65,24.9 v2(48,24.9) 49.9,24.9 50.3,25.3 50.3,29.6 51.2,30.5 51.2,39.8 53,41.6 X1.1@53,45
  Top Layer w1: X1.1@53,45 X1.2@53,47.54
V_CURR_1: R3.2 X3.1 X3.2 | length 20.1
  Top Layer w0.5: R3.2@45.65,23.15 45.7,23.1 v2(48,23.1) 50.1,23.1 51.1,24.1 51.1,29 53,30.9 X3.1@53,35
  Top Layer w1: X3.1@53,35 X3.2@53,37.54
V_CURR_2: R5.2 X5.1 X5.2 | length 12.1
  Top Layer w0.5: R5.2@45.65,21.4 v2(49.6,21.4) 50.6,21.4 53,23.8 X5.1@53,25
  Top Layer w1: X5.1@53,25 X5.2@53,27.54
V_CURR_3: R7.2 X6.1 X6.2 | length 11.4
  Top Layer w0.5: R7.2@45.65,19.65 v2(49.6,19.65) 52,19.65 53,18.65 X6.2@53,17.54
  Top Layer w1: X6.1@53,15 X6.2@53,17.54
V_CURR_4: R9.2 | length 4
  Top Layer w0.5: R9.2@45.65,17.9 v2(49.6,17.9)
V_CURR_5: R11.2 | length 4
  Top Layer w0.5: R11.2@45.65,16.15 v2(49.6,16.15)
V_CURR_6: R13.2 | length 4
  Top Layer w0.5: R13.2@45.65,14.4 v2(49.6,14.4)
V_CURR_7: R14.2 | length 4
  Top Layer w0.5: R14.2@45.65,12.65 v2(49.6,12.65)
pads on no net: SW1.MH1 SW1.MH2 U1.7 U1.8 U1.9 U1.37 U1.63 U1.64 U1.67 U1.68 U1.69 U1.77 U1.81 U1.82 U1.84 U1.85 U1.86 U1.87 U1.88 U1.90 U1.91 U1.95 U1.96 U3.B2 U3.C2 U4.4 U4.7 U5.3 U5.8 U9.3 U9.8 X2.4 XT1.9
copper on no net: | length 12.4
  Top Layer w1: v2(20.975,47.1) 25,47.1 ; 34.5,49.1 v2(38.7,49.1) ; 34.5,60.3 v2(38.7,60.3)

## Polygon pours and split planes (outlines as drawn)
no net on Top Layer " " (solid, pour order 2): 80.941,1.4 ccw(c80.941,2.8) 82.341,2.8 82.341,4.841 cw(c83.941,4.841) 84.2,6.42 84.2,11.4 73.361,11.4 ccw(c73.361,6.38) 68.341,6.38 ccw(c73.321,6.38) 73.321,1.4
GND on Top Layer "Top Layer-GND" (solid, pour order 0): 0.5,37.8 0.5,21 17.5,21 17.5,24.489 16.5,25.489 16.5,36.5 18,36.5 18,37.8
no net on Top Solder " " (solid): 81.355,0.1
USB_Case on GND Layer (split plane): 6.548,40.752 0.51,40.752 0.51,49.998 6.548,49.998
GND on GND Layer (split plane): 646 vertices, not listed, extent 0.51,0.51 120.29,64.29
GND_A on GND Layer (split plane): 56.651,8.189 56.644,8.185 56.02,7.752 56.001,7.735 55.98,7.72 55.403,7.226 55.385,7.207 55.366,7.191 54.842,6.641 54.826,6.62 54.809,6.601 54.344,6.001 54.33,5.979 54.314,5.959 53.912,5.315 53.901,5.292 53.887,5.27 53.552,4.588 53.543,4.564 53.532,4.541 53.267,3.829 53.261,3.804 53.252,3.78 53.061,3.045 53.058,3.026 53.053,3.007 52.985,2.633 52.985,2.627 52.983,2.621 52.949,2.402 52.806,1.984 52.591,1.597 52.311,1.254 51.975,0.966 51.594,0.742 51.179,0.588 50.744,0.51 32.052,0.51 32.052,12.648 42.4,12.648 42.465,12.656 42.526,12.682 42.578,12.722 42.618,12.774 42.644,12.835 42.652,12.9 42.652,28.821 43.954,30.123 50.175,30.123 50.24,30.131 50.301,30.157 50.353,30.197 50.393,30.249 50.419,30.31 50.427,30.375 50.427,34.525 50.419,34.59 50.393,34.651 50.371,34.681 50.353,34.703 48.334,36.723 48.334,45.977 51.604,49.248 56.651,49.248

## Other copper
Top Layer:
  text "itb #1" at 72,60.6 h3.5
  text "itb #1" at 95,9.5 h3.5
GND Layer (plane layer: these items are gaps in the copper):
  lines w0.5: -0.032,50.25 6.8,50.25 6.8,40.5 0.013,40.5 ; 31.8,0.411 31.8,12.9 42.4,12.9 42.4,28.925 43.85,30.375 50.175,30.375 50.175,34.525 48.082,36.618 48.082,46.082 51.5,49.5 56.903,49.5 56.903,8

## Silkscreen, mask and mechanical layers (free items; w line width, h text height)
Top Overlay:
  text "3V3" at 1.4,18.3 h1 r90
  text "MCU" at 1.4,14.5 h1 r90
  text "CON" at 1.5,10.6 h1 r90
Bottom Overlay:
  lines w0.2: 43.85,55.175 44.1,55.425 44.1,59.825 ; 46.025,55 45.8,55.225 45.8,56.3 46.375,56.875 46.375,59.45 46.375,59.8
Top Solder:
  drawing of 2081 lines, arcs and shapes, not listed
  text "itb #1" at 72,60.6 h3.5
  text "itb #1" at 95,9.5 h3.5
Mechanical 1:
  circle w0.1: c86.4,3.4 r1.6
  circle w0.1: c112.4,61.4 r1.6
  circle w0.1: c47.9,32.4 r1.6
  circle w0.1: c9.4,61.4 r1.6
  circle w0.1: c86.4,61.4 r1.6
  circle w0.1: c112.4,3.4 r1.6
  circle w0.1: c9.4,3.4 r1.6
  lines w0.1: 0,7.872 ccw(c3,7.872) 2.723,4.885 cw(c2.4,1.4) 5.792,2.262 ccw(c8.7,3) 8.7,0 50.523,0 ccw(c50.523,3) 53.488,2.543 cw(c60.9,1.4) 68.312,2.543 ccw(c71.277,3) 71.277,0 87.1,0 ccw(c87.1,3) 90.008,2.262 cw(c93.4,1.4) 96.792,2.262 ccw(c99.7,3) 99.7,0 113.1,0 ccw(c113.1,3) 116.008,2.262 cw(c119.4,1.4) 118.538,4.792 ccw(c117.8,7.7) 120.8,7.7 120.8,54.2 cw(c120.8,55) 120.8,55.8 120.8,57.1 ccw(c117.8,57.1) 118.538,60.008 cw(c119.4,63.4) 116.008,62.538 ccw(c113.1,61.8) 113.1,64.8 99.7,64.8 ccw(c99.7,61.8) 96.792,62.538 cw(c93.4,63.4) 90.008,62.538 ccw(c87.1,61.8) 87.1,64.8 71.277,64.8 ccw(c71.277,61.8) 68.312,62.257 cw(c60.9,63.4) 53.488,62.257 ccw(c50.523,61.8) 50.523,64.8 8.7,64.8 ccw(c8.7,61.8) 5.792,62.538 cw(c2.4,63.4) 2.723,59.915 ccw(c3,56.928) 0,56.928 0,7.872
Mechanical 2:
  circle w0.1: c47.9,32.4 r2.5
  lines w0.1: 13.742,0 cw(c15.4,2.5) 12.4,2.5 12.4,3.4 ccw(c9.4,3.4) 9.4,6.4 3.5,6.4 cw(c3.5,9.4) 0.5,9.4 0.5,55.4 cw(c3.5,55.4) 3.5,58.4 9.4,58.4 ccw(c9.4,61.4) 12.4,61.4 12.4,62.3 cw(c15.4,62.3) 13.742,64.8 ; 82.058,0 ccw(c80.4,2.5) 83.4,2.5 83.4,3.4 cw(c86.4,3.4) 86.4,6.4 89.65,6.4 ccw(c89.65,9.4) 92.65,9.4 92.65,55.4 ccw(c89.65,55.4) 89.65,58.4 86.4,58.4 cw(c86.4,61.4) 83.4,61.4 83.4,62.3 ccw(c80.4,62.3) 82.058,64.8 ; 94.15,9.5 ccw(c102.15,9.5) 102.15,1.5 106.4,1.5 ccw(c106.4,4.5) 109.349,3.95 cw(c112.298,3.4) 112.298,6.4 116.3,6.4 ccw(c116.3,9.4) 119.3,9.4 119.3,55.4 ccw(c116.3,55.4) 116.3,58.4 112.298,58.4 cw(c112.298,61.4) 109.349,60.85 ccw(c106.4,60.3) 106.4,63.3 102.15,63.3 ccw(c102.15,55.3) 94.15,55.3 94.15,9.5

## Text inside footprints (layer, text, board x,y; h text height)
X1: Top Overlay "30" at 90.084,47.032 h1.27; Top Overlay "29" at 90.084,44.492 h1.27; Top Overlay "2" at 50.46,47.032 h1.27; Top Overlay "1" at 50.46,44.492 h1.27
X3: Top Overlay "30" at 90.084,37.032 h1.27; Top Overlay "29" at 90.084,34.492 h1.27; Top Overlay "2" at 50.46,37.032 h1.27; Top Overlay "1" at 50.46,34.492 h1.27
X5: Top Overlay "30" at 90.084,27.032 h1.27; Top Overlay "29" at 90.084,24.492 h1.27; Top Overlay "2" at 50.46,27.032 h1.27; Top Overlay "1" at 50.46,24.492 h1.27
X6: Top Overlay "30" at 90.084,17.032 h1.27; Top Overlay "29" at 90.084,14.492 h1.27; Top Overlay "2" at 50.46,17.032 h1.27; Top Overlay "1" at 50.46,14.492 h1.27